# KiCad board for_real_486_rc13.kicad_pcb (continued)
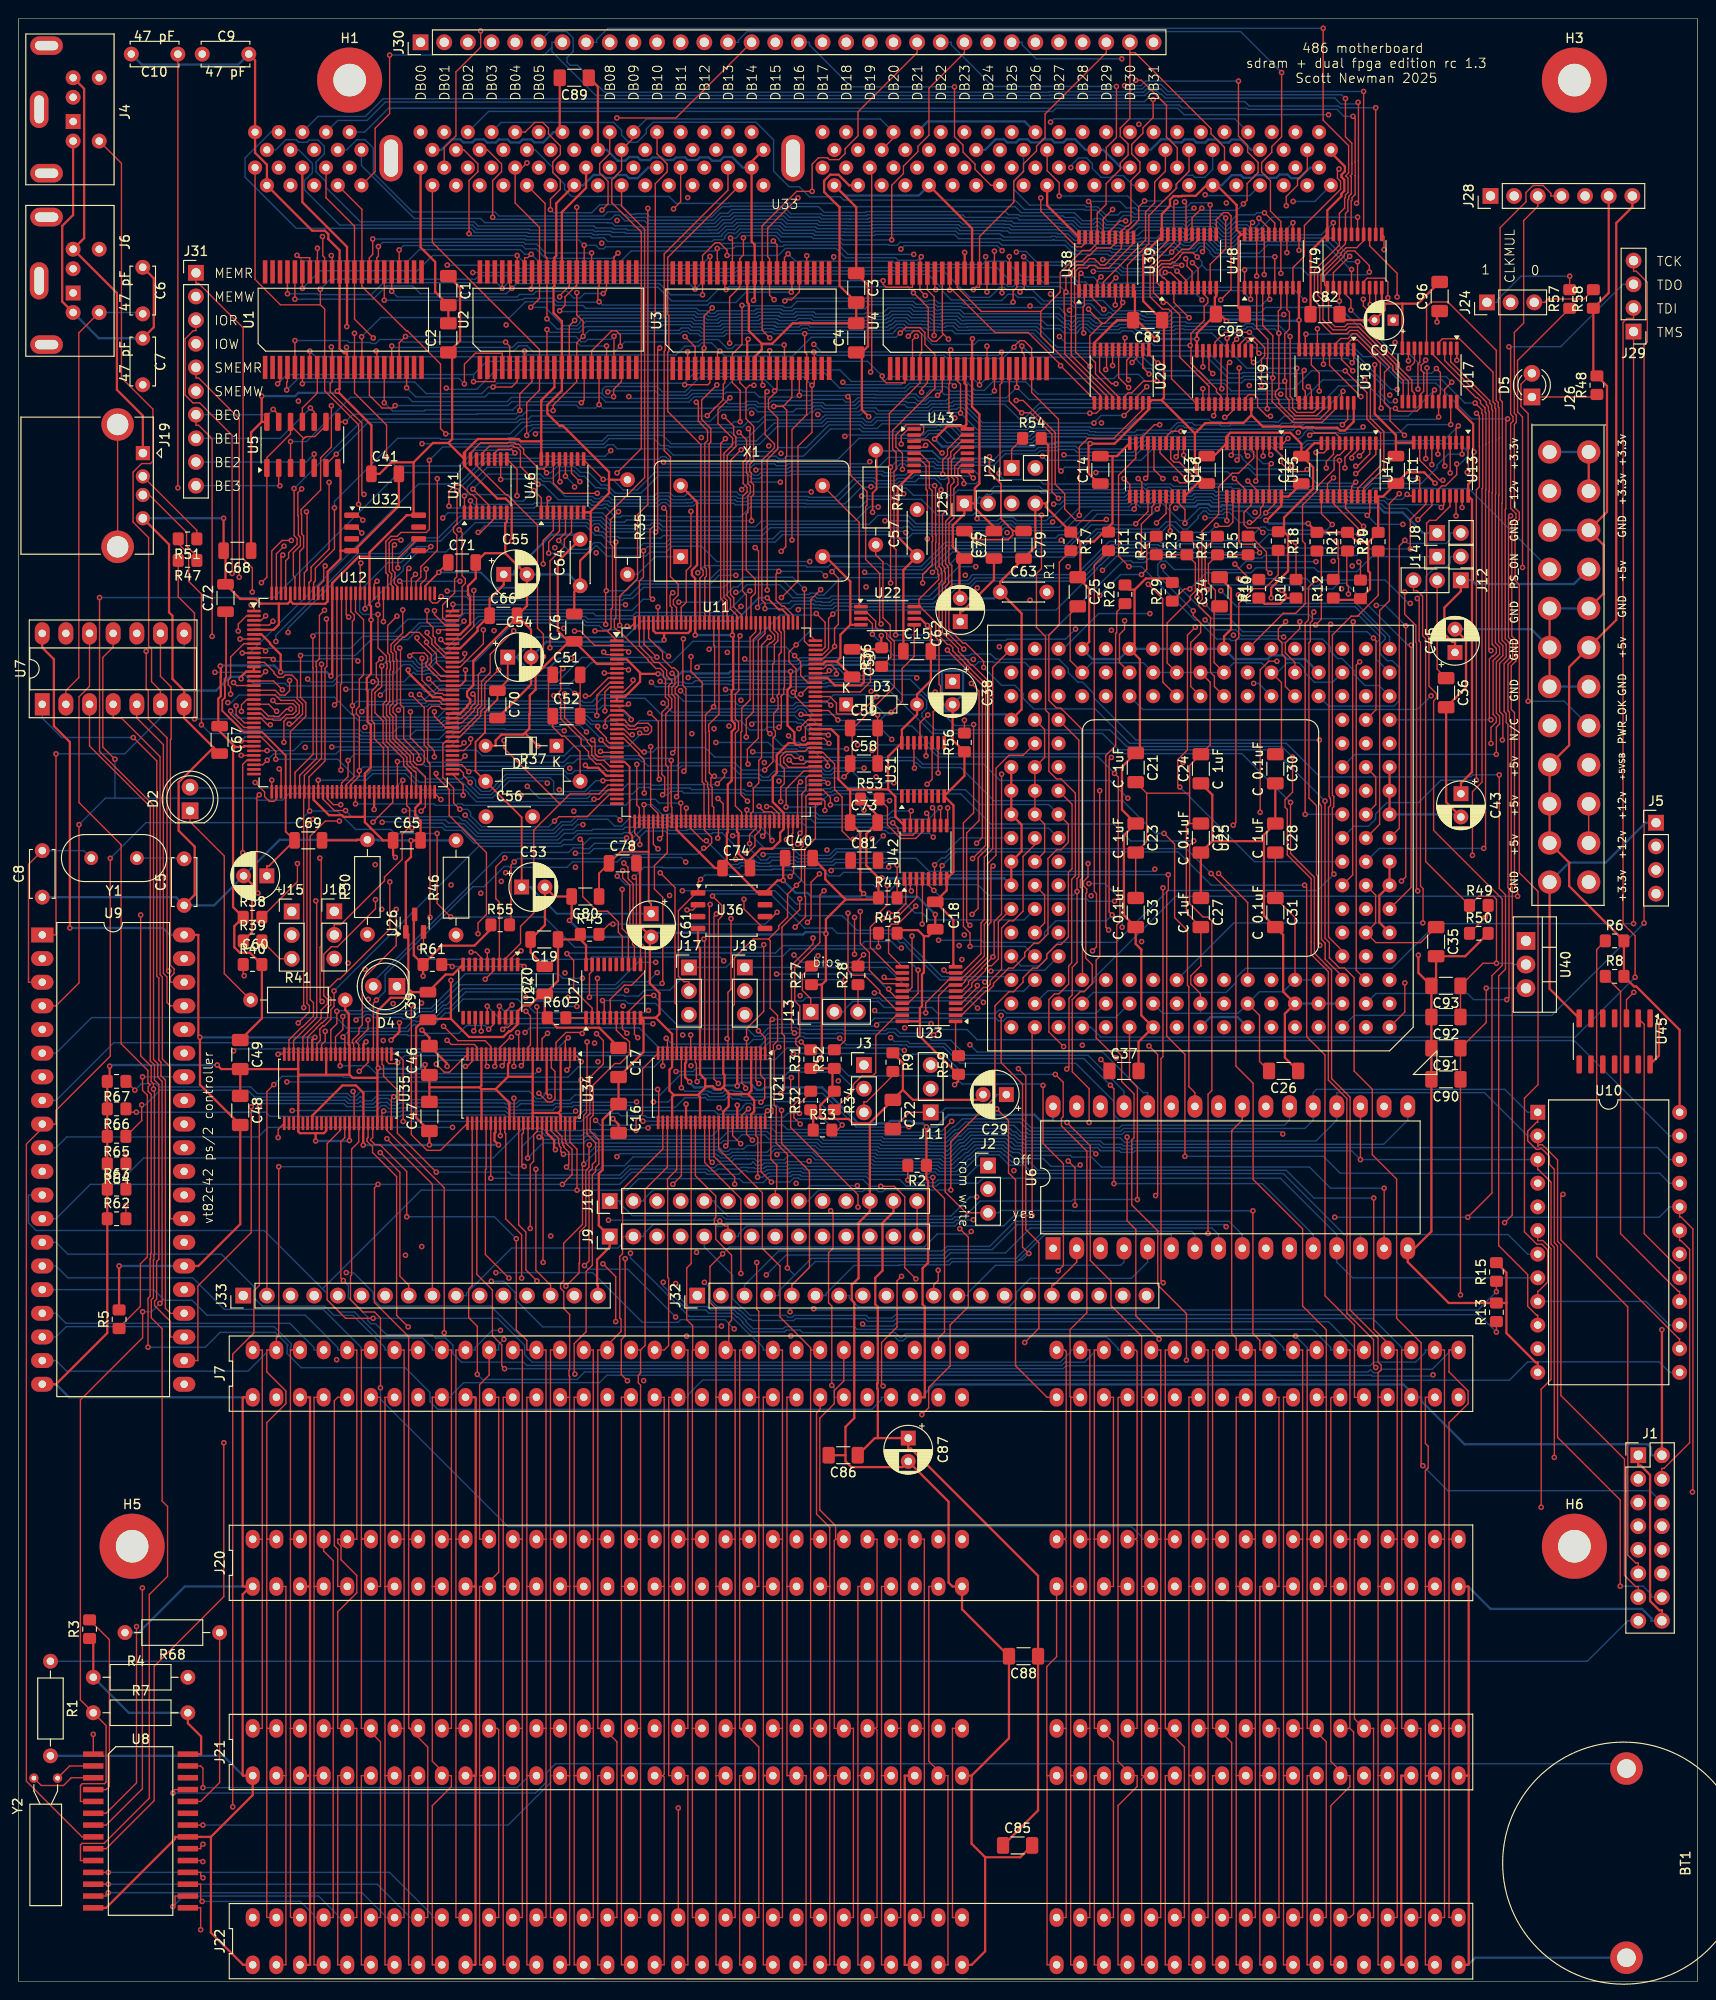
[diagram p0: board, top side]
## Routing (per net, layer and track width the routed paths; a pad name or vN(x,y) marks a point on that pad's centre or on a via; arc(x,y) is an arc through that point) (continued)
  In2.Cu w0.15: v1(81.42,108.2) 82.39,109.16 82.39,117.38 83.5,118.49 83.5,119.93 83.11,120.33 83.11,122.4 83.33,122.62 83.01,122.94 83.01,125.86 83.08,125.93 83.08,126.37 81.1,128.35 81.03,128.35 79.57,129.8 79.57,130.38 v1(80.1,130.91)
  Bottom w0.15: v1(93.47,106.59) 93.3,106.59 91.69,108.2 v1(81.42,108.2)
FPGA_BE3: length 51.6
  Top w0.15: U23.15 95.59,106.37 95.98,106.76 v1(95.98,112.28) ; U11.118 79.18,144.94 78.57,144.34 78.57,137.65 77.69,136.76 77.69,134.27 77.59,134.17 77.59,127.47 v1(78.3,126.76)
  In1.Cu w0.15: v1(78.3,126.76) 78.67,127.14 80.75,127.14 81.3,126.59 81.3,126.48 81.7,126.07 81.7,126.06 83.79,123.97 84.66,123.97 86.53,122.1 87.07,122.1 87.41,121.76 87.41,121.39 92.33,116.47 92.56,116.47 95.98,113.06 v1(95.98,112.28)
FPGA_CH_RDY: length 68.2
  Top w0.15: U27.13 65.51,112.41 64.83,113.08 v1(64.83,117.29) ; U12.8 24.19,143.68 22.77,142.26 22.77,140.01 22.51,139.74 22.51,139.27 22.77,139 v1(22.77,138.26)
  In1.Cu w0.15: v1(22.77,138.26) 22.87,138.16 27.56,138.16 27.89,137.82 27.89,137.59 28.64,136.84 28.64,136.35 28.94,136.05 31.92,136.05 37.53,130.43 43.89,130.43 44.21,130.75 45.72,130.75 48.65,127.82 53.15,127.82 53.43,128.1 54.09,128.1 56.97,125.21 57.81,125.21 58.18,124.84 58.18,123.42 59.85,121.75 60.38,121.75 v1(64.83,117.29)
FPGA_CLOCK: length 97.2
  Top w0.15: v1(88.01,135.49) 87,136.5 U11.93 ; U22.5 96.21,142.32 94.92,141.03 94.92,137.49 v1(93.73,136.29) ; U12.130 34.19,137.37 v1(33.94,137.11)
  In2.Cu w0.15: v1(33.94,137.11) 33.94,138.39 34.91,139.36 35.39,139.36 36.86,137.89 v1(36.86,136.39)
  Bottom w0.15: v1(93.73,136.29) 93.46,136.03 93.1,136.03 ; 93.1,136.03 92.51,135.44 88.06,135.44 v1(88.01,135.49) ; 93.1,136.03 90.95,138.19 87.54,138.19 86.72,137.37 83.51,137.37 83.18,137.03 81.24,137.03 81.24,137.03 77.35,137.03 76.89,137.48 71.44,137.48 70.72,138.2 62.38,138.2 61.55,137.37 60.67,137.37 60.52,137.52 43.96,137.52 43.74,137.3 40.73,137.3 40.56,137.13 37.6,137.13 v1(36.86,136.39)
FPGA_D/C: length 115.9
  Top w0.15: U11.112 82.18,145.12 82.27,145.04 82.27,138.97 82.19,138.89 82.19,138.32 81.9,138.03 81.93,137.99 81.93,134.95 v1(81.69,134.71) ; U12.63 40.19,126.64 v1(38.07,124.52) ; U23.13 93.16,107.67 v1(92.97,107.85)
  In1.Cu w0.15: v1(92.97,107.85) 92.79,107.85 90.81,105.87 v1(83.96,105.87)
  In2.Cu w0.15: v1(38.07,124.52) 38.79,125.24 38.79,133.11 v1(37.2,134.7) ; v1(81.69,134.71) 81.69,130.28 84.75,127.22 84.75,118.43 85.07,118.11 85.07,115.36 85.32,115.1 85.32,113.37 84.41,112.46 84.41,106.32 v1(83.96,105.87)
  Bottom w0.15: v1(81.69,134.71) 80.43,134.71 80.12,134.41 78.56,134.41 77.55,135.41 66.71,135.41 66.21,134.91 64.62,134.91 64.15,135.38 61.64,135.38 61.06,135.96 57.83,135.96 57.72,135.85 57.58,135.99 47.18,135.99 46.85,135.66 46.42,135.66 46.16,135.41 45.67,135.41 45.35,135.09 37.59,135.09 v1(37.2,134.7)
FPGA_IOCS16: length 66.1
  Top w0.15: U27.11 66.81,111.02 66.45,111.37 66.45,112.45 66.01,112.9 66.01,117.89 65.61,118.3 65.61,118.31 65.47,118.45 65.47,119.66 v1(65.01,120.12) ; v1(24.97,147.84) 25.28,147.54 U12.1
  In1.Cu w0.15: v1(65.01,120.12) 61.46,123.67 60.36,123.67 59.76,124.28 59.76,124.76 55.92,128.59 55.92,128.98 52.39,132.52 52.02,132.52 51.56,132.97 51.56,133.32 50.37,134.52 38.19,134.52 37.44,135.27 36.8,135.27 35.28,136.79 35.28,137.08 30.94,141.42 29.81,141.42 27.9,143.34 27.4,143.34 27.06,143.68 27.06,144.18 24.97,146.26 v1(24.97,147.84)
FPGA_IOR: length 116.2
  Top w0.15: v1(62.5,132.1) 62.6,132 U11.25 ; v1(22.93,151.22) 22.93,166.06 19.45,169.54 18.73,169.54 17.89,170.39 17.89,176.43 18.77,177.31 19.05,177.31 J31.3 ; v1(52.23,120.68) 51.26,119.71 51.26,116.29 51.65,115.91 U24.4
  In1.Cu w0.15: v1(59.81,119.67) 58.65,120.83 52.38,120.83 v1(52.23,120.68) ; v1(59.2,130.3) 56.9,130.3 51.93,135.28 39.41,135.28 37.38,137.31 37.25,137.31 37.24,137.31 36.88,137.31 35.94,138.26 36.08,138.4 36.08,139.17 35.54,139.71 35.4,139.71 33.47,141.64 33.47,141.87 32.92,142.41 32.12,142.41 31.34,143.18 29.8,143.18 27.47,145.51 26.85,145.51 25.9,146.46 25.9,149.25 24.93,150.22 23.43,150.22 22.93,150.72 v1(22.93,151.22)
  In2.Cu w0.15: 59.38,130.12 59.21,129.94 59.21,127.74 60.58,126.37 60.58,126.01 61.22,125.37 61.22,122.79 60.92,122.49 60.92,122.39 60.39,121.85 60.39,120.69 59.81,120.11 v1(59.81,119.67) ; 59.38,130.12 61.37,132.1 v1(62.5,132.1) ; 59.38,130.12 v1(59.2,130.3)
FPGA_IOW: length 119.8
  Top w0.15: v1(61.67,133.34) 61.92,133.08 61.92,131.86 62.26,131.52 64.25,131.52 U11.26 ; v1(50.12,107.64) 51,108.52 U24.5
  In1.Cu w0.15: v1(38.3,119.95) 44.28,119.95 v1(46.46,117.77)
  In2.Cu w0.15: J31.4 19.05,174.77 19.33,174.77 27.49,166.61 27.49,147.83 30.86,144.46 30.86,142.66 31.96,141.56 31.96,138 33.65,136.31 v1(33.65,132.59) 33.65,124.61 v1(38.3,119.95) ; v1(50.12,107.64) 48.03,109.74 48.03,110.78 48.14,110.9 48.14,116.09 v1(46.46,117.77)
  Bottom w0.15: v1(61.67,133.34) 60.68,133.34 60.27,133.75 58.37,133.75 58.07,134.04 47.79,134.04 46.33,132.59 v1(33.65,132.59)
FPGA_M/IO: length 91.9
  Top w0.15: v1(80.15,130.11) 81.04,131 81.04,133.53 81.29,133.79 81.29,134.29 81.11,134.47 81.11,136.2 81.58,136.67 81.58,137.85 81.49,137.94 81.49,138.11 81.68,138.3 81.68,142.51 81.92,142.75 81.92,144.89 81.71,145.1 81.71,145.89 U11.113 ; U12.64 v1(40.69,131.02) ; U23.12 94.24,108.32 91.5,111.07 91.5,113.25 92.07,113.82 92.07,114.4 93.3,115.63 v1(93.3,117.72)
  In1.Cu w0.15: v1(80.15,130.11) 81.3,130.11 82.25,129.16 82.25,128.23 86.07,124.41 86.26,124.41 91.89,118.78 91.89,118.53 92.7,117.72 v1(93.3,117.72)
  Bottom w0.15: v1(40.69,131.02) 42.43,131.02 42.76,130.69 43.53,130.69 43.72,130.5 58.59,130.5 58.96,130.88 59.62,130.88 60.04,131.3 62,131.3 62.12,131.17 62.89,131.17 63.01,131.3 66.65,131.3 66.91,131.03 67.12,131.03 67.59,130.56 70.7,130.56 71.06,130.91 76.9,130.91 77.7,130.11 v1(80.15,130.11)
FPGA_MEMCS16: length 66.9
  Top w0.15: v1(23.59,145.04) 23.59,145.78 24.49,146.68 U12.2 ; v1(64.89,119.3) 64.89,118.51 65.66,117.75 65.66,112.75 65.95,112.46 65.95,111.37 66.16,111.17 U27.12
  In1.Cu w0.15: v1(64.89,119.3) 62.09,122.1 60,122.1 58.53,123.58 58.53,124.99 57.95,125.57 57.88,125.57 55.22,128.22 55.22,128.67 54.73,129.15 54.24,129.15 52.35,131.04 47.72,131.04 45.12,133.64 36.39,133.64 30.04,139.99 30.04,140.12 27.94,142.22 27.94,142.23 27.6,142.56 27.01,142.56 26.77,142.32 26.29,142.32 25.95,142.66 25.95,142.91 23.83,145.04 v1(23.59,145.04)
FPGA_MEMR: length 110.2
  Top w0.15: v1(53.97,110.69) 53.72,110.69 52.95,109.92 U24.2 ; v1(62.77,128.96) 62.81,129 U11.31 ; J31.1 19.05,182.39 19.33,182.39 24.12,177.6 24.12,152.8 25.1,151.82 v1(25.1,149.23)
  In1.Cu w0.15: v1(25.1,149.23) 25.55,148.78 25.55,146.31 26.7,145.16 27.21,145.16 28.46,143.91 28.46,143.41 30.08,141.8 32.04,141.8 32.3,142.06 32.78,142.06 33.11,141.72 33.11,141.49 35.24,139.36 35.39,139.36 35.73,139.02 35.73,138.54 35.44,138.26 36.74,136.96 37.1,136.96 39.19,134.87 51.49,134.87 58.09,128.27 v1(58.09,128)
  In2.Cu w0.15: v1(53.97,110.69) 53.97,111.51 57.62,115.17 57.62,120.71 56.99,121.34 56.99,126.9 v1(58.09,128)
  Bottom w0.15: v1(62.77,128.96) 62,128.96 60.83,127.8 58.29,127.8 v1(58.09,128)
FPGA_MEMW: length 102.9
  Top w0.15: 58.14,126.46 55.34,123.66 55.34,114.75 53.92,113.33 53.92,111.48 52.3,109.86 U24.3 ; 58.14,126.46 52.14,132.46 v1(52.14,133.29) ; 58.14,126.46 59.23,127.55 62.35,127.55 63.3,128.5 U11.32
  In2.Cu w0.15: 19.05,180.97 20.21,180.97 35.28,165.91 35.28,152.26 36.06,151.48 36.06,143.41 42.17,137.3 42.69,137.3 47.68,132.3 48.19,132.3 48.81,131.68 50.63,131.68 52.14,133.2 v1(52.14,133.29)
FPGA_NOWS: length 67.6
  Top w0.15: U27.14 64.86,112.24 64.42,112.68 64.42,113.8 63.27,114.95 62.16,114.95 60.6,116.52 60.6,122.4 v1(60.32,122.68) ; v1(23.79,144.18) 25.27,144.18 U12.7
  In1.Cu w0.15: v1(23.79,144.18) 23.62,144.18 23,144.8 23,145.33 23.29,145.62 24.62,145.62 27.25,142.99 27.67,142.99 29.65,141.01 30.77,141.01 34.09,137.69 34.18,137.69 34.51,137.35 34.51,136.57 36.96,134.12 49.83,134.12 50.14,133.82 50.57,133.82 51.21,133.18 51.21,132.71 54.42,129.51 54.88,129.51 55.57,128.82 55.57,128.38 58.04,125.92 58.1,125.92 58.88,125.14 58.88,124.12 v1(60.32,122.68)
FPGA_RESET: length 53.2
  Top w0.15: v1(43.08,111.03) 43.5,111.44 U26.2
  In1.Cu w0.15: v1(43.08,111.03) 42.44,111.67 37.47,111.67 ; 37.47,111.67 R30.1 ; 37.47,111.67 36.85,111.67 35.04,109.85 J16.3
  In2.Cu w0.15: v1(75.75,109.61) 75.75,106.94 77.73,104.95 78.01,104.95 J18.3
  Bottom w0.15: v1(43.08,111.03) 44.32,109.78 61.37,109.78 61.62,110.04 75.32,110.04 v1(75.75,109.61)
FPGA_RESET_BUTTON: length 91.9
  Top w0.15: v1(72.23,142.3) 72.23,140.7 73.43,139.5 73.43,128.83 73.63,128.63 73.63,124.64 U11.52 73.68,123.64 74.45,122.87 74.45,122.28 73.89,121.71 v1(73.6,121.71) ; R55.2 52.89,113.64 52.89,119.9 v1(53.24,120.24)
  In1.Cu w0.15: J25.3 105.55,158.75 105.55,158.5 102.57,155.52 96.9,155.52 91.61,150.23 91.61,149.5 85.09,142.97 83.12,142.97 82.77,142.62 77.59,142.62 77.13,142.17 72.36,142.17 v1(72.23,142.3)
  Bottom w0.15: v1(53.24,120.24) 53.59,120.6 63.65,120.6 64.12,121.07 72.95,121.07 v1(73.6,121.71)
FPGA_SMEMR: length 109.6
  Top w0.15: v1(23.7,150.82) 23.7,167.86 19.33,172.23 19.05,172.23 J31.5 ; v1(58.65,138.29) 58.65,135.73 61.09,133.29 61.09,133.1 61.57,132.62 61.57,131.72 62.12,131.17 62.86,131.17 63.53,130.5 U11.28 ; U24.6 50.35,110.67 v1(50.35,110.68)
  In1.Cu w0.15: v1(23.7,150.82) 26.63,150.82 37.49,139.96 37.49,139.29 37.9,138.87 38.96,138.87 39.31,138.52 41.49,138.52 41.74,138.77 41.89,138.77 41.92,138.8 43.3,138.8 43.6,138.5 44.5,138.5 45.21,139.21 57.74,139.21 v1(58.65,138.29)
  In2.Cu w0.15: v1(58.65,138.29) 55.21,134.84 55.21,131.65 53.14,129.58 53.14,127.91 53.03,127.8 53.03,123.15 51.84,121.96 51.7,121.96 50.95,121.21 50.95,120.94 50.57,120.56 50.57,117.43 50.52,117.38 50.52,117.32 50.57,117.26 50.57,116.41 50.36,116.19 50.36,110.68 v1(50.35,110.68)
FPGA_SMEMW: length 122.9
  Top w0.15: v1(48.61,110.55) 49.1,110.55 49.7,109.95 U24.7 ; v1(49.35,112.52) 49.35,113.69 50.25,114.59 50.25,121.24 46.25,125.23 46.25,128.03 44.85,129.43 v1(44.85,129.74) ; U11.29 63.29,130 62.54,130.75 62.04,130.75 61.22,131.57 61.22,132.07 60.42,132.87 60.42,133.43 58.24,135.62 58.24,137.76 58.08,137.92 58.08,138.53 58.24,138.69 58.24,140.79 v1(58.46,141.01)
  In1.Cu w0.15: v1(49.35,112.52) 49.35,111.29 v1(48.61,110.55)
  In2.Cu w0.15: v1(44.85,129.74) 44.08,130.52 44.08,135.2 42.33,136.94 41.63,136.94 38.98,139.59 v1(38.06,139.59) ; J31.6 19.05,169.69 19.33,169.69 21.37,167.65 21.37,144.22 21.09,143.95 21.09,141.52 21.09,141.52 v1(21.09,140.6)
  Bottom w0.15: v1(58.46,141.01) 57.73,140.28 44.58,140.28 44.38,140.48 43.81,140.48 43.72,140.39 42.66,140.39 42.45,140.6 42.39,140.6 41.39,139.59 v1(38.06,139.59) 38,139.53 34.18,139.53 33.8,139.15 28.87,139.15 28.6,139.42 25.21,139.42 24.02,140.6 v1(21.09,140.6)
FPGA_W/R: length 172.3
  Top w0.15: U33.27 64.77,190.67 67.24,188.2 67.24,161.52 63.13,157.41 v1(63.13,149.37) 63.06,149.3 v1(63.06,145.75) ; v1(90.42,114.92) 90.42,111.48 91.39,110.51 91.39,108.61 92.83,107.17 94.78,107.17 U23.14 ; U11.110 83.18,146.76 82.22,147.72 82.01,147.72 81.37,148.35 81.37,151.16 v1(81.66,151.45) ; v1(39.01,141.28) 39.01,139.08 38.73,138.8 38.66,138.8 38.32,138.46 38.32,138.44 38.28,138.4 38.28,136.26 39.15,135.39 39.15,133.03 39.69,132.49 U12.62
  In2.Cu w0.15: v1(86.67,150.97) 86.67,150.47 90.08,147.07 90.08,143.11 89.88,142.91 89.88,141.55 89.93,141.5 89.93,138.51 90.27,138.17 90.27,134.18 91.1,133.35 91.1,132.06 90.24,131.21 90.24,126.69 89.89,126.34 89.89,125.08 90.24,124.73 90.24,119.6 90.19,119.55 90.19,115.14 v1(90.42,114.92)
  Bottom w0.15: v1(86.67,150.97) 86.19,151.45 v1(81.66,151.45) 81.47,151.65 75.31,151.65 74.1,150.44 66.33,150.44 65.26,149.37 v1(63.13,149.37) ; v1(63.06,145.75) 62.84,145.98 61.02,145.98 60.74,146.26 49.64,146.26 45.59,142.21 44.84,142.21 43.81,141.18 43.52,141.18 43.43,141.09 42.95,141.09 42.41,141.64 42.41,141.72 42.34,141.79 39.52,141.79 v1(39.01,141.28)
HITM: length 77.4
  Top w0.15: U25.A12 119.33,96.88 120.18,96.03 v1(120.18,83.98)
  Bottom w0.15: J10.1 64.63,83.82 64.63,83.54 65.92,82.25 75.55,82.25 75.95,81.85 100.3,81.85 100.57,82.13 101.6,82.13 103.29,83.82 113.13,83.82 113.29,83.98 v1(120.18,83.98)
HLDA: length 136.7
  Top w0.15: U25.P15 113.89,133.32 113.89,118.65 113.69,118.45 113.69,117.07 v1(113.7,117.06) 113.7,109.44 113.19,108.92 113.19,105.94 112.84,105.59 112.84,98.23 v1(112.6,97.99) ; U27.5 63.56,105.49 65.07,107 65.85,107 67.33,108.48 67.33,111.06 66.81,111.58 66.81,112.6 66.36,113.04 66.36,118.38 v1(66.13,118.61)
  In1.Cu w0.15: v1(112.6,97.99) 110.84,97.99 104.04,91.2 99.11,91.2 93.19,85.28 93.19,85.16 92.85,84.82 92.37,84.82 92.22,84.97 90.99,84.97 90.03,84 90.03,83.82 J10.11
  Bottom w0.15: v1(113.7,117.06) 113.29,116.65 104.19,116.65 103.05,117.8 94.21,117.8 93.54,117.13 92.48,117.13 91.81,117.79 84.57,117.79 83.01,119.36 82.03,119.36 81.93,119.46 81,119.46 80.93,119.4 78.97,119.4 78.55,119.82 77.62,119.82 77.41,119.61 69.22,119.61 69.16,119.67 67.19,119.67 v1(66.13,118.61)
HOLD: length 55.8
  Top w0.15: R18.2 135.31,151.07 133.83,149.59 132.65,149.59 131.08,148.02 131.08,144.36 130.76,144.04 130.76,124.48 v1(130.47,124.19)
  In1.Cu w0.15: U25.E15 113.04,113.97 117.71,113.97 117.94,114.2 120.49,114.2 v1(130.47,124.19)
INC: length 47.8
  In1.Cu w0.15: J9.7 81.07,82.34 83.94,82.34 85.23,83.63 85.23,84.32 95.67,94.76 100.51,94.76 107.08,101.33 115.64,101.33 U25.A13
INT: length 159.4
  Top w0.15: U12.81 47.41,133.68 49.66,135.93 49.66,136.45 50.08,136.87 50.08,139.39 v1(51.56,140.87) ; v1(75.31,81.67) 75.85,81.14 76.2,81.14 J9.6 ; U25.A16 108.88,102.19 v1(108.88,82.23)
  In1.Cu w0.15: v1(51.56,140.87) 52.14,140.28 59.66,140.28 59.88,140.05 60.38,140.05 61.1,139.33 63.38,139.33 63.77,138.95 63.77,138.82 64.63,137.96 64.81,138.14 67.46,138.14 71.59,134.02 v1(72.32,134.02)
  In2.Cu w0.15: v1(72.32,134.02) 72.32,131.99 69.75,129.42 69.75,127.22 68.95,126.42 68.95,123.67 68.47,123.19 68.35,123.19 68.05,122.89 68.05,122.83 68.19,122.69 68.19,122.04 68.1,121.94 68.1,121.6 67.84,121.34 67.84,120.01 67.52,119.69 67.52,118.03 66.51,117.02 66.51,108.2 66.59,108.12 66.59,105.86 66.53,105.8 66.53,105.76 66.36,105.59 66.36,105.53 66.46,105.44 66.46,105.19 66.38,105.11 66.38,104.38 66.21,104.2 66.21,104.07 65.12,102.98 65.12,102.81 64.77,102.46 64.77,91.93 63.9,91.07 63.9,91.01 64.05,90.86 64.05,89.25 63.7,88.9 63.7,86.15 62.32,84.78 62.32,82.8 v1(63.37,81.76)
  Bottom w0.15: v1(63.37,81.76) 75.23,81.76 v1(75.31,81.67) ; v1(108.88,82.23) 106.92,82.23 105.83,81.14 101.63,81.14 101.34,81.42 100.87,81.42 100.58,81.14 78.2,81.14 77.33,80.27 77.33,80.01 J9.6
INTA: length 28.2
  Top w0.15: v1(47.4,125.9) 46.73,126.57 46.73,128.17 45.58,129.32 45.58,132.91 45.85,133.18 U12.80 ; U11.34 63.48,127.5 61.07,125.09 58.03,125.09 v1(57.57,124.64)
  Bottom w0.15: v1(47.4,125.9) 48.22,125.9 48.55,125.57 48.55,125.21 49.75,124.01 56.95,124.01 v1(57.57,124.64)
INV: length 52.9
  In1.Cu w0.15: U25.A10 117.59,95.67 110.87,95.67 104.15,88.94 99.98,88.94 95.25,84.22 95.25,83.48 93.26,81.49 82.76,81.49 J9.8
IOCS16: length 154
  Top w0.15: 113.02,22.1 113.02,22.1 113.02,1.78 J22.64 ; 113.02,22.1 113.02,42.42 113.02,42.42 ; 113.02,22.1 J21.64 ; U27.9 66.16,101.72 v1(66.51,101.37) ; 113.02,62.74 J7.64 ; 113.02,62.74 113.02,42.42 ; 113.02,62.74 112.95,62.81 112.95,70.02 114.75,71.82 114.75,89.17 112.03,91.9 112.03,92.7 112.21,92.88 112.21,96.58 v1(111.37,97.42) ; 113.02,42.42 J20.64
  In1.Cu w0.15: v1(71.34,101.65) 71.06,101.92 67.06,101.92 v1(66.51,101.37) ; v1(83.23,99.66) 81.91,98.35 v1(72.22,98.35)
  In2.Cu w0.15: v1(72.22,98.35) 71.34,99.24 v1(71.34,101.65)
  Bottom w0.15: v1(83.23,99.66) 94.64,99.66 94.92,99.38 95.8,99.38 96.01,99.59 99.35,99.59 101.52,97.42 v1(111.37,97.42)
IOR: length 333.6
  Top w0.15: 59.1,22.1 59.19,22.01 59.19,1.78 J22.14 ; 59.1,22.1 J21.14 ; 59.1,22.1 59.19,22.1 59.19,42.42 ; v1(50.5,102.26) 51,102.76 U24.16 ; J20.14 59.19,42.42 ; v1(61.06,100.91) 61.06,96.61 61.01,96.55 61.01,93.31 60.7,93.01 v1(60.7,87.77) 60.58,87.64 60.58,81.31 58.55,79.29 58.55,75.26 58.22,74.92 58.22,74.44 58.56,74.1 58.56,72.26 59.19,71.63 59.19,65.69 59.13,65.63 59.13,65.05 59.19,64.98 59.19,62.74 ; 59.19,62.74 59.19,42.42 59.19,42.42 ; 59.19,62.74 J7.14 ; U8.22 v1(19.79,16.79)
  In1.Cu w0.15: v1(50.5,102.26) 51.06,102.83 58.65,102.83 60.57,100.91 v1(61.06,100.91)
  Bottom w0.15: v1(60.7,87.77) 62.23,89.3 75.03,89.3 75.28,89.05 75.32,89.05 75.58,88.8 76.35,88.8 76.6,89.05 77.18,89.05 78.03,89.05 78.03,89.06 80.39,89.06 81.08,89.75 85.59,89.75 86.04,89.3 92.19,89.3 92.39,89.1 97.58,89.1 97.63,89.05 99.32,89.05 99.62,88.75 99.81,88.75 101.11,90.05 101.26,90.05 101.29,90.08 101.5,90.08 102.31,90.89 106.2,90.89 106.55,90.54 106.83,90.54 107.28,90.09 107.89,90.09 108.06,89.91 116.06,89.91 116.41,89.56 118.38,89.56 118.54,89.4 119.6,89.4 119.61,89.41 119.61,89.41 119.76,89.56 176.06,89.56 177.35,88.27 U10.22 ; v1(19.79,16.79) 52.58,16.79 57.14,21.34 57.14,22.1 J21.14 ; U9.8 4.02,94.62 10.21,100.81 36.4,100.81 37.27,101.68 41.74,101.68 41.85,101.58 43.55,101.58 43.8,101.83 47.28,101.83 48.12,102.67 50.09,102.67 v1(50.5,102.26)
IOW: length 339.9
  Top w0.15: J7.13 54.6,62.74 54.6,42.42 ; 54.6,42.42 54.6,42.42 54.6,22.1 ; 54.6,42.42 J20.13 ; U24.15 50.35,104.74 v1(50.35,104.75) ; J22.13 54.6,1.78 54.6,22.1 54.6,22.1 ; 54.6,22.1 J21.13 ; U8.27 19.56,23.14 19.8,22.89 v1(19.8,20.81)
  In2.Cu w0.15: v1(50.35,104.75) 46.61,101.01 v1(46.61,91.73) 45.85,90.97 45.85,71.67 46.97,70.55 46.97,65.88 49.4,63.45 49.4,62.12 50.07,61.45 53.56,61.45 54.6,62.48 54.6,62.74 J7.13
  Bottom w0.15: J21.13 54.6,22.1 54.6,21.84 53.57,20.81 v1(19.8,20.81) ; v1(50.35,104.75) 51.67,103.43 68.54,103.43 69.68,102.29 78.31,102.29 79.07,101.52 79.71,101.52 80.05,101.86 80.05,101.93 80.52,102.4 81.4,102.4 81.45,102.45 83.58,102.45 83.77,102.26 88.57,102.26 88.69,102.14 93.13,102.14 93.31,102.31 94.24,102.31 94.71,101.84 97.66,101.84 98.06,102.24 101.87,102.24 102.97,101.14 115.96,101.14 116.04,101.05 167.11,101.05 177.35,90.81 U10.23 ; U9.10 4.02,89.54 5.18,90.7 25.75,90.7 26.78,91.73 v1(46.61,91.73)
IRQ0: length 147.9
  Top w0.15: U10.10 163.19,71.57 163.06,71.57 162.11,72.51 162.11,75.91 159,79.03 159,108 159.72,108.72 159.72,116.72 159.06,117.39 v1(159.06,129.59) ; U43.11 101.29,163.49 100.56,162.76 100.56,161.74 100.91,161.39 100.91,160.77 100.47,160.34 100.47,157.19 99.95,156.66 99.95,153.98 99.93,153.96 99.93,152.4 100.25,152.08 100.25,149.99 99.93,149.67 99.93,145.26 101.45,143.74 101.71,143.74 103.67,141.79 v1(103.67,141.13)
  Bottom w0.15: v1(103.67,141.13) 105.59,139.21 107,139.21 107.9,138.31 107.9,137.82 109.05,136.67 115.66,136.67 119.35,132.98 136.18,132.98 139.79,129.37 156.01,129.37 156.23,129.59 v1(159.06,129.59)
IRQ2: length 65.1
  Top w0.15: 31.74,42.42 31.74,42.42 31.74,62.74 J7.4 ; 31.74,42.42 J20.4 ; 31.74,42.42 31.74,22.1 31.74,22.1 ; J21.4 31.74,22.1 ; 31.74,22.1 31.74,1.78 J22.4
IRQ3: length 184.3
  Top w0.15: 87.13,22.1 87.13,1.78 J22.25 ; 87.13,22.1 J21.25 ; 87.13,22.1 87.13,42.42 87.13,42.42 ; J7.25 86.11,61.46 85.72,61.07 85.72,50.18 87.13,48.77 87.13,42.42 ; v1(94.85,75.72) 94.36,75.24 94.36,70.29 92.7,68.62 92.7,64.11 v1(92.86,63.95) ; U43.14 101.3,165.44 100.13,164.27 100.13,163.79 99.85,163.5 99.85,161.45 99.93,161.37 99.93,160.97 99.77,160.81 99.77,158.09 99.25,157.57 99.25,154.27 99.23,154.25 99.23,152.1 99.45,151.89 99.45,151.8 99.48,151.76 99.48,151.41 99.55,151.34 99.55,150.28 99.23,149.96 99.23,144.89 100.96,143.15 100.96,142.85 101.98,141.83 101.98,141.76 102.32,141.42 102.32,141.42 102.33,141.41 102.44,141.41 104.23,139.63 104.23,121.86 103.07,120.7 103.07,115.26 v1(102.42,114.61) ; 87.13,42.42 J20.25
  In1.Cu w0.15: v1(92.86,63.95) 92.78,64.03 88.19,64.03 87.13,62.97 87.13,62.74 J7.25
  In2.Cu w0.15: v1(102.42,114.61) 98.82,111.01 98.82,102.86 98.2,102.24 98.06,102.24 97.72,101.9 97.72,101.61 93.19,97.08 93.19,85.16 92.85,84.83 92.85,77.72 v1(94.85,75.72)
IRQ4: length 194.9
  Top w0.15: U43.3 96.33,165.57 97.67,165.57 99.07,164.17 v1(99.21,164.17) ; 82.54,42.42 82.54,62.74 J7.24 ; 82.54,42.42 82.54,42.42 82.54,22.1 J21.24 84.59,22.1 84.59,1.78 J22.24 ; 82.54,42.42 J20.24 ; v1(102.35,139.41) 103.17,138.59 103.17,124.69 101.84,123.36 101.84,113.78 v1(102.19,113.44) ; v1(101.1,80.85) 102.02,79.93 102.02,72.46 100.07,70.5 100.07,66.1 97.76,63.8 97.76,61.61 v1(97.03,60.88)
  In1.Cu w0.15: J7.24 84.59,62.74 84.59,62.48 86.2,60.88 v1(97.03,60.88) ; v1(101.7,151.03) 101.7,150.95 v1(102.98,149.68)
  In2.Cu w0.15: v1(101.7,151.03) 101.7,156.35 100.43,157.62 100.43,162.95 v1(99.21,164.17) ; v1(101.1,80.85) 101.2,80.94 101.2,90.58 101.48,90.85 101.48,91.4 101.83,91.75 101.83,98.13 102.77,99.08 102.77,100.84 102.26,101.35 102.26,103.19 101.64,103.81 101.64,107.99 102.26,108.62 102.26,109.37 102.81,109.93 102.81,112.22 102.19,112.84 v1(102.19,113.44) ; v1(102.98,149.68) 102.98,143.43 101.99,142.45 101.99,139.78 v1(102.35,139.41)
IRQ5: length 213.1
  Top w0.15: v1(108.08,68.62) 109.6,70.15 109.6,79.34 108.19,80.75 108.19,97.24 v1(107.4,98.04) ; J22.23 80,1.78 80,22.1 80.14,22.1 ; 80,42.42 80,22.24 80.14,22.1 ; 80,42.42 J20.23 ; 80,42.42 80,62.74 J7.23 ; 80.14,22.1 J21.23 ; v1(97.44,164.98) 97.25,164.79 U43.4
  In1.Cu w0.15: J7.23 82.05,62.74 82.05,62.99 83.66,64.6 104.05,64.6 v1(108.08,68.62)
  In2.Cu w0.15: v1(91.93,106.17) 91.75,106.35 91.75,115.47 92.16,115.87 92.16,119.89 94.84,122.57 94.84,126.6 94.96,126.72 94.96,132.09 95.36,132.49 95.36,137.92 98.38,140.94 98.38,147.34 98.74,147.7 98.74,152.38 96.62,154.5 95.58,154.5 94.7,155.38 94.7,158.09 96.12,159.51 96.12,163.66 v1(97.44,164.98) ; v1(103.64,105.16) 103.64,104.76 105.38,103.02 105.38,100.05 v1(107.4,98.04)
  Bottom w0.15: v1(103.64,105.16) 103.13,105.66 93.02,105.66 92.51,106.17 v1(91.93,106.17)
IRQ6: length 180.4
  Top w0.15: U43.5 96.82,164.14 97.83,163.13 97.83,160.41 98.13,160.11 98.13,155.24 98.19,155.18 98.19,154.71 98.13,154.65 98.13,152.14 97.12,151.12 v1(97.12,150.2) ; J20.22 79.51,42.42 79.51,62.74 ; v1(79.29,77.21) 79.29,72.18 79.51,71.96 79.51,62.74 79.51,62.74 ; 79.51,62.74 J7.22 ; J21.22 77.46,22.1 77.46,1.78 J22.22
  In1.Cu w0.15: v1(83.53,85.71) 82.55,84.73 82.55,83.46 81.77,82.69 79.77,82.69 77.61,80.54 77.61,78.89 v1(79.29,77.21)
  In2.Cu w0.15: J20.22 77.46,42.42 77.46,22.1 J21.22 ; v1(83.53,85.71) 83.53,86.03 83.27,86.28 83.27,93.47 87.63,97.83 87.63,101.54 88.76,102.67 88.76,106.27 91.35,108.86 91.35,115.73 91.7,116.08 91.7,121.04 94.48,123.83 94.48,126.92 94.6,127.04 94.6,132.54 95.01,132.94 95.01,138.24 95.31,138.54 95.31,148.39 v1(97.12,150.2)
IRQ7: length 197.7
  Top w0.15: 74.92,22.1 74.92,1.78 J22.21 ; 74.92,22.1 J21.21 ; 74.92,22.1 74.92,22.1 74.92,42.42 ; v1(99.77,143) 99.77,142.97 103.53,139.22 103.53,122.86 v1(102.91,122.25) ; J20.21 74.92,42.42 ; 74.92,42.42 74.92,62.74 ; J7.21 74.92,62.74 ; 74.92,62.74 74.92,72.28 74.27,72.93 74.27,76.79 v1(75.63,78.14) ; U43.6 96.82,163.49 97.48,162.83 97.48,160.27 97.61,160.13 v1(97.61,154.94)
  In2.Cu w0.15: v1(102.33,80.55) 102.33,80.93 101.98,81.28 101.98,89.87 102.53,90.42 102.53,95.7 103.47,96.64 103.47,102.97 102.41,104.03 102.41,107.26 102.48,107.33 102.48,107.83 103.52,108.87 103.52,111.49 103.7,111.68 103.7,112.33 103.48,112.55 103.48,112.61 103.56,112.69 103.56,113.46 103.35,113.68 103.35,114.22 103.35,121.81 v1(102.91,122.25) ; v1(99.77,143) 99.5,143.27 99.5,153.06 v1(97.61,154.94)
  Bottom w0.15: v1(75.63,78.14) 76.36,78.88 97.3,78.88 98.68,80.27 102.05,80.27 v1(102.33,80.55)
IRQ8: length 195.6
  Top w0.15: v1(15.18,72.83) 15.42,73.06 15.42,96.66 14.94,97.13 14.94,98.58 14.49,99.03 14.49,126.31 8.69,132.11 v1(8.69,148.63) ; v1(13.32,71.93) 13.32,69.14 6.64,62.46 6.64,30.24 R7.1 9.4,27.48 9.4,21.39 9.24,21.23 6.83,21.23 6.64,21.05 6.64,19.33 U8.5 ; v1(53.32,164.18) 52.94,164.56 51.53,164.56 51.14,164.17 U41.11
  Bottom w0.15: v1(13.32,71.93) 14.28,71.93 v1(15.18,72.83) ; v1(53.32,164.18) 53.11,163.97 49.12,163.97 47.21,162.06 40.84,162.06 27.42,148.63 v1(8.69,148.63)
IRQ10: length 233.7
  Top w0.15: J7.65 117.61,62.74 117.61,42.42 J20.65 ; v1(55.82,160.8) 53.9,162.72 53.9,164.41 53.56,164.76 53.31,164.76 53.15,164.91 50.59,164.91 49.84,164.16 U41.13 ; J22.65 115.56,1.78 115.56,22.1 J21.65 ; v1(102.48,120.6) 103.88,122 103.88,139.37 102.17,141.07 102.17,141.07 101.63,141.61 101.63,141.64 100.35,142.92 100.35,143.27 100.01,143.6 99.77,143.6 98.88,144.5 98.88,150.11 99.2,150.43 99.2,151.2 99.13,151.26 99.13,151.62 99.09,151.65 99.09,151.74 98.88,151.96 98.88,154.4 98.89,154.41 98.89,160.01 v1(99.1,160.21)
  In2.Cu w0.15: J7.65 115.56,62.74 115.56,62.99 113.28,65.28 112.31,65.28 104.79,72.8 104.79,77.27 101.68,80.38 101.68,81.09 101.63,81.13 101.63,90.02 101.68,90.06 101.68,90.56 102.18,91.06 102.18,97.81 103.12,98.75 103.12,102.53 102.64,103.01 102.64,103.3 102.44,103.51 101.99,103.96 101.99,107.84 102.81,108.66 102.81,109.25 103.17,109.61 103.17,111.64 103.35,111.82 103.35,112.19 103.1,112.43 103.1,112.73 103.21,112.84 103.21,113.32 103,113.53 103,114.37 103,120.08 v1(102.48,120.6) ; J20.65 117.61,42.42 117.61,22.1 J21.65
  Bottom w0.15: v1(99.1,160.21) 99.1,160.78 98.44,161.43 96.68,161.43 96.34,161.1 94.58,161.1 94.33,160.85 92.09,160.85 91.77,161.16 90.21,161.16 88.11,159.06 84.76,159.06 84.7,159.11 78.37,159.11 78.21,158.95 77.15,158.95 76.98,159.11 72.63,159.11 72.34,158.82 71.84,158.82 71.81,158.79 70.07,158.79 69.69,159.18 68.92,159.18 68.53,158.79 63.58,158.79 63.35,159.02 62.67,159.02 62.55,158.91 61.78,158.91 61.75,158.93 61.71,158.93 61.5,159.14 57.99,159.14 56.39,160.74 55.88,160.74 v1(55.82,160.8)
